# Altium PCB Controller_AC.PcbDoc
Units mil, origin at the board's own origin, x right, y up, seen from the top; angles counter-clockwise.
Board outline 2699.22 x 2841.41 mil, 2 copper layers (Top Layer, Bottom Layer); 67 components, 61 nets, 245 pads, 155 vias.
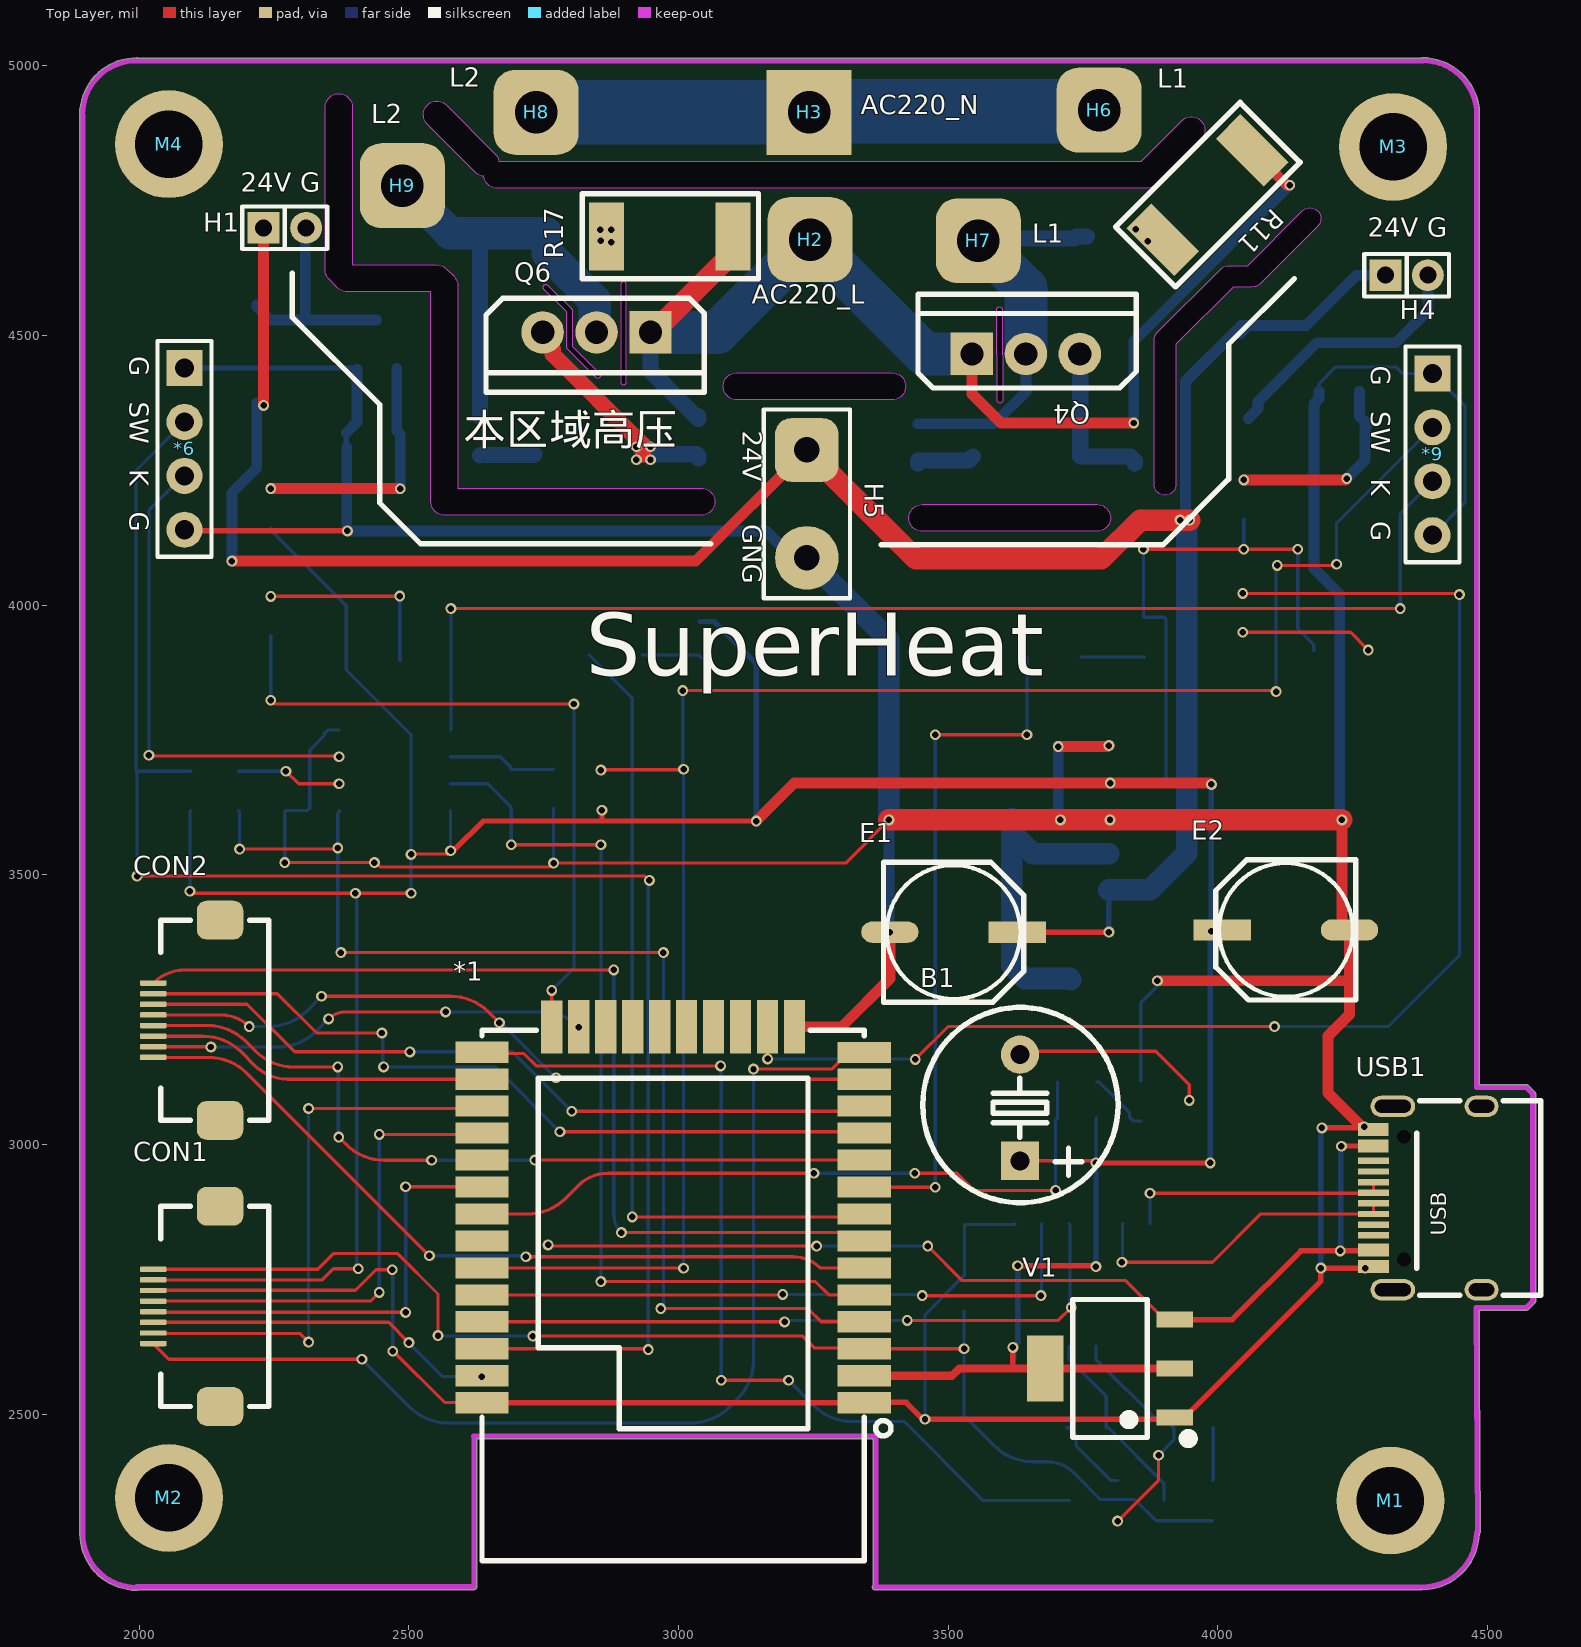
[diagram p0: Top Layer view]
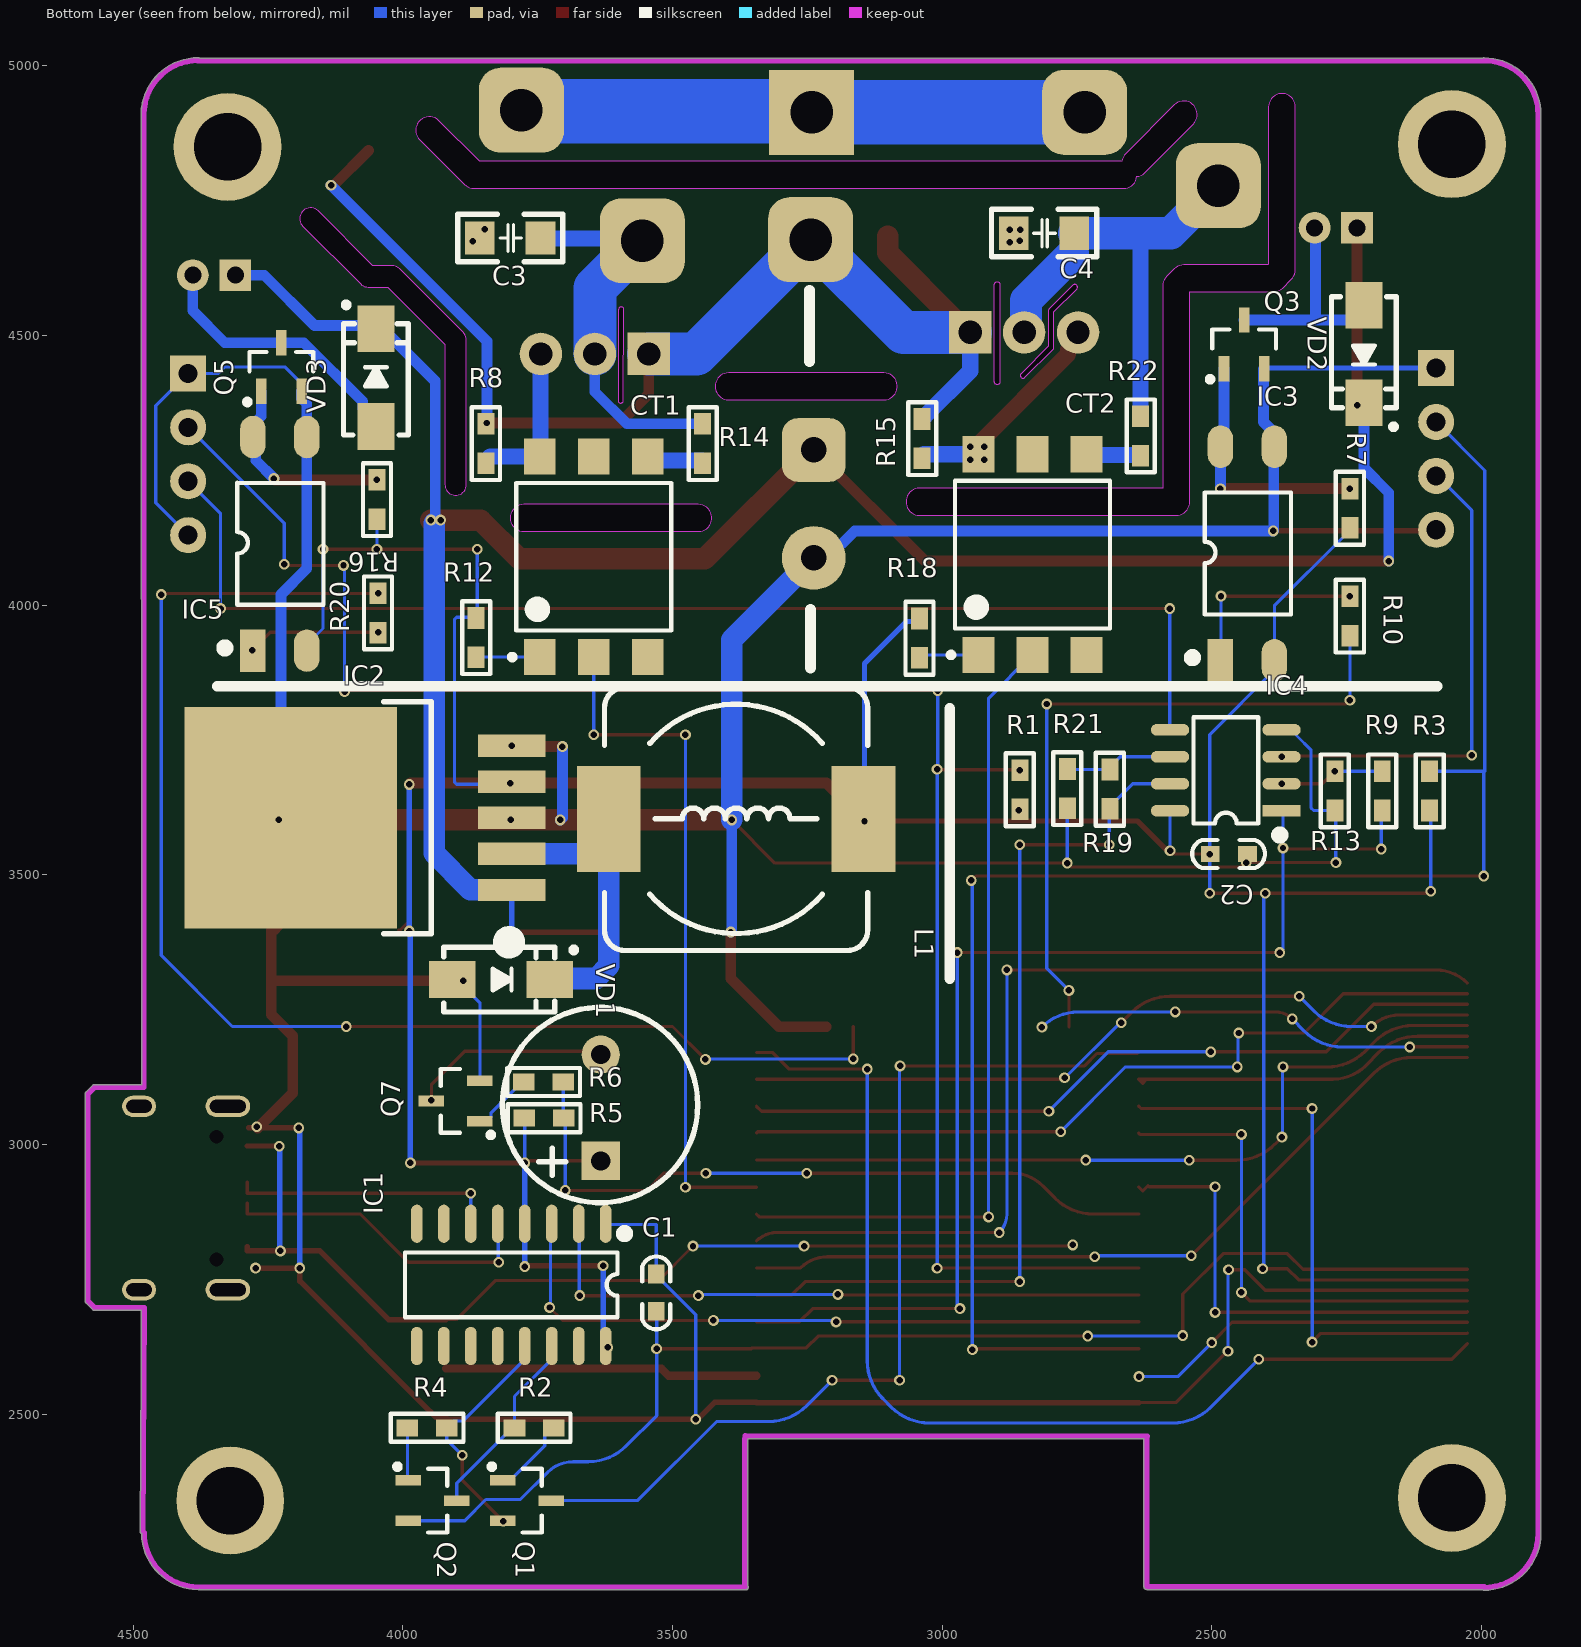
[diagram p1: Bottom Layer view, seen from below]

## Layer stack, top to bottom
Top Solder: solder mask 0.4, Solder Resist, Dk 3.5
Top Layer: signal copper 1.4
Dielectric 1: dielectric 12.6, FR-4, Dk 4.8
Bottom Layer: signal copper 1.4
Bottom Solder: solder mask 0.4, Solder Resist, Dk 3.5

## Board outline
1995.19,2173.79 ccw(c1995.19,2178.81) 1998.6,2175.13 2620.8,2175.13 ccw(c2620.8,2180.14) 2625.82,2180.14 2625.82,2454.3 3360.76,2454.3 ccw(c3365.77,2454.17) 3360.76,2454.17 3360.76,2182.64 ccw(c3364.52,2179.32) 3364.52,2174.31 4374.37,2174.31 ccw(c4374.37,2179.32) 4377.32,2175.27 ccw(c4379,2180) 4379,2174.99 ccw(c4379,2280.19) 4484.19,2278.42 ccw(c4481.93,2282.9) 4486.94,2282.9 ccw(c4481.93,2282.9) 4486.94,2282.93 4485.02,2583.02 4485.01,2583.03 4485.02,2583 4485.02,2692.99 4572,2692.99 ccw(c4572,2698) 4575.56,2694.47 4575.55,2694.45 4587.55,2706.45 4587.53,2706.44 ccw(c4584,2710) 4589.02,2710 4589.02,3094 ccw(c4584,3094) 4587.53,3097.56 4587.55,3097.55 4575.55,3109.55 4575.56,3109.53 ccw(c4572,3106) 4572,3111.01 4484.46,3111.01 4485.01,4909.82 ccw(c4480,4910) 4485.02,4910 ccw(c4379.81,4910) 4485.01,4910.77 4485.02,4920 ccw(c4480,4920) 4485.02,4920 ccw(c4480,4920) 4484.25,4922.66 ccw(c4379.81,4910) 4379.81,5015.21 ccw(c4379.81,5010.19) 4377.52,5014.66 1996.86,5014.66 ccw(c1995,5010) 1995,5015.02 ccw(c1995,4909.81) 1889.79,4909.81 ccw(c1894.81,4909.81) 1889.98,4908.43 1889.98,2280 ccw(c1895,2280) 1890.01,2279.5 ccw(c1895,2279) 1889.98,2279 ccw(c1995.19,2279)
cut-out: 2624.31,4802.31 2534.31,4892.31 cw(c2552,4910) 2569.69,4927.69 2659.69,4837.69 cw(c2642,4820) 2666.83,4823.02 3857.64,4823.02 3933.31,4898.69 cw(c3951,4881) 3976.01,4881 cw(c3951,4881) 3968.69,4863.31 3885.69,4780.31 cw(c3868,4798) 3868,4772.98 2664,4772.98 cw(c2664,4798) 2639.15,4795.15 cw(c2642,4820)
cut-out: 2892.99,4414 ccw(c2898,4414) 2903.01,4414 2903.01,4595 ccw(c2898,4595) 2892.99,4595
cut-out: 3590.99,4379.97 3590.1,4548.22 cw(c3595.11,4548.25) 3600.13,4548.27 3601.01,4380.03 cw(c3596,4380) 3601.01,4380 cw(c3596,4380)
cut-out: 2792.99,4478 2792.99,4543.92 2750.45,4586.45 cw(c2754,4590) 2757.55,4593.55 2801.55,4549.55 2801.53,4549.56 cw(c2798,4546) 2803.01,4546 2803.01,4480.08 2853.55,4429.55 cw(c2850,4426) 2855.01,4426 cw(c2850,4426) 2846.45,4422.45 2794.45,4474.45 2794.47,4474.44 cw(c2798,4478)
cut-out: 3881.99,4224 3881.99,4492 cw(c3902,4492) 3887.88,4506.19 3887.85,4506.15 4005.85,4624.15 4005.81,4624.12 cw(c4020,4610) 4020,4630.02 4055.71,4630.02 4156.85,4731.15 cw(c4171,4717) 4191.02,4717 cw(c4171,4717) 4185.15,4702.85 4078.15,4595.85 4078.19,4595.88 cw(c4064,4610) 4064,4589.98 4028.29,4589.98 3922.01,4483.71 3922.01,4224 cw(c3902,4224)
cut-out: 3108,4380.98 cw(c3108,4406) 3108,4431.02 3396,4431.02 cw(c3396,4406) 3421.01,4406 cw(c3396,4406) 3396,4380.98
cut-out: 2368.31,4588.31 2352.31,4604.31 cw(c2370,4622) 2344.99,4622 2344.99,4924 cw(c2370,4924) 2395.01,4924 2395.01,4632.36 2396.36,4631.02 2552,4631.02 cw(c2552,4606) 2569.69,4623.69 2583.69,4609.69 cw(c2566,4592) 2591.01,4592 2591.01,4217.02 3042,4217.02 cw(c3042,4192) 3067.01,4192 cw(c3042,4192) 3042,4166.98 2566,4166.98 cw(c2566,4192) 2540.99,4192 2540.99,4580.98 2386,4580.98 cw(c2386,4606)
cut-out: 3452,4136.98 cw(c3452,4162) 3452,4187.02 3776,4187.02 cw(c3776,4162) 3801.01,4162 cw(c3776,4162) 3776,4136.98

## Design rules (kind name [scope] priority, off if disabled: settings)
Clearance [All] p1: gap=0 ignorepadtopadclearanceinfootprint=TRUE
HoleSize [All] p1: absolutevalues=TRUE maxlimit=300 minlimit=1 maxpercent=80.000 minpercent=20.000
HoleToHoleClearance [All] p1: gap=2 allowstackedmicrovias=TRUE
MinimumSolderMaskSliver [All] p1: minsoldermaskwidth=0
PolygonConnect [All] p1: connectstyle=Relief reliefconductorwidth=10 reliefentries=4 polygonreliefangle="90 Angle" airgapwidth=10
RoutingVias [All] p1: holewidth=12 width=20 viastyle="Through Hole" minholewidth=12 minwidth=20 maxholewidth=200 maxwidth=300
SilkToSilkClearance [All] p1: silktosilkclearance=0
SilkToSolderMaskClearance [IsPad] p1: minsilkscreentomaskgap=0 clearancetoexposedcopper=TRUE
SolderMaskExpansion [All] p1: expansion=4 istentingtop=FALSE
Width [All] p1: maxlimit=150 minlimit=6 preferedwidth=6
25 further rules are at their usual default settings.

## Components (designator, comment, footprint, x,y, rotation, side; value= is the part's Value field where it differs from the comment)
*1 "ESP32-S" WIFIM-SMD_ESP32-C3S-2M 2990,2870 r180 top
*6 "Header4" HDR2.54-LI-4P 2084,4290 r270 top
*9 "Header4" HDR2.54-LI-4P 4398,4280 r270 top
B1 "DC3V" "BEEP 5x9x5.5" 3633,3068.43 r0 top
C1 "1uF" "C 0603" 3530,2725 r270 bottom
C2 "104" "C 0603" 2469,3539 r0 bottom
C3 "10nF/1KV" "C 1206_L" 3800,4681 r0 bottom
C4 "10nF/1KV" "C 1206_L" 2810,4690 r0 bottom
CON1 "FFC_0.5_8" FFC_0.5_8 2115,2700 r90 top
CON2 "FFC_0.5_8" FFC_0.5_8 2115,3230.63 r90 top
CT1 "CT3063" SMD-6-CT3063 3646,4089.98 r90 bottom
CT2 "CT3063" SMD-6-CT3063 2832.47,4094 r90 bottom
E1 "10uF/50V" "CT 6*6 - C" 3510,3394 r0 top
E2 "10uF/10V" "CT 6*6 - C" 4126,3398 r180 top
H1 "PAD2" PAD2-2.0 2270,4700 r0 top
H2 "PAD1" PAD1-C 3244,4678 r0 top
H3 "PAD1" PAD1-B 3242,4914 r0 top
H4 "PAD2" PAD2-2.0 4350,4612 r0 top
H5 "PAD2" PAD2-5.08 3238,4288 r270 top
H6 "PAD1" PAD1-C 3780,4918 r0 top
H7 "PAD1" PAD1-C 3556,4676 r0 top
H8 "PAD1" PAD1-C 2736,4914 r0 top
H9 "PAD1" PAD1-C 2488,4778 r0 top
IC1 "CH340C" SOP16_N 3798.96,2740 r270 bottom
IC2 "LM2596-3.3V" TO263-5A 3798,3606 r90 bottom
IC3 "817" SOP4-W2.54_L 2434,4096 r90 bottom
IC4 "LM358" SOP8_N 2474,3694 r0 bottom
IC5 "817" SOP4-W2.54_L 4228,4114 r90 bottom
L1 "33uH" CDRH127 3382,3604 r180 bottom
M1 "M3" "M3 125X200" 4320,2340 r0 top
M2 "M3" "M3 125X200" 2055,2345 r0 top
M3 "M3" "M3 125X200" 4325,4850 r0 top
M4 "M3" "M3 125X200" 2055,4855 r0 top
Q1 "SS8050" SOT23-3N 3770,2340 r270 bottom
Q2 "SS8050" SOT23-3N 3945,2340 r270 bottom
Q3 "SI2308" SOT23-3N 2440.13,4484 r180 bottom
Q4 "BTA12_600" TO220A 3644,4466 r0 top
Q5 "SI2308" SOT23-3N 4225.13,4442 r180 bottom
Q6 "BTA12_600" TO220A 2848,4506 r180 top
Q7 "SS8050" SOT23-3N 3902,3081 r90 bottom
R1 "10K" "R 0603" 2856,3658 r90 bottom
R2 "10K" "R 0603" 3756.5,2475 r180 bottom
R3 "10K" "R 0603" 2096,3656 r270 bottom
R4 "10K" "R 0603" 3955,2475 r0 bottom
R5 "4.7K" "R 0603" 3738,3049 r0 bottom
R6 "1K" "R 0603" 3739,3116 r0 bottom
R7 "1K" "R 0603" 2244,4180 r270 bottom
R8 "300R" "R 0603" 3846,4300 r90 bottom
R9 "100K" "R 0603" 2184,3656 r270 bottom
R10 "200R" "R 0603" 2244,3980 r270 bottom
R11 "39R/1W" "R 2512_L" 3980,4760 r45 top
R12 "200R" "R 0603" 3864,3940 r270 bottom
R13 "1K" "R 0603" 2272,3656 r90 bottom
R14 "330R" "R 0603" 3444,4300 r90 bottom
R15 "300R" "R 0603" 3037,4309 r90 bottom
R16 "1K" "R 0603" 4048,4196 r270 bottom
R17 "39R/1W" "R 2512_L" 2982.89,4684 r0 top
R18 "200R" "R 0603" 3042,3939 r270 bottom
R19 "100K" "R 0603" 2689,3659 r270 bottom
R20 "200R" "R 0603" 4046,3986 r90 bottom
R21 "1K" "R 0603" 2768,3660 r90 bottom
R22 "330R" "R 0603" 2632,4314 r90 bottom
USB1 "USB-C" "USB Type-C-16Pin_A" 4489,2901 r90 top
V1 "AMS1117-3V3" SOT223_L 3800,2585 r90 top
VD1 "SS34" SMA 3818,3306 r180 bottom
VD2 "FR107" SMA 2218,4466 r270 bottom
VD3 "FR107" SMA 4050,4422 r90 bottom

## Footprints (in the part's own frame and the unit in brackets; to place one, negate y for a bottom-side part, rotate by r counter-clockwise, add the part's x,y. Pads: shape width x height; smd on the part's side, far side on the other; paste and mask are expansions set on the pad)
"BEEP 5x9x5.5" [mm] "5*9*5.5mm(脚距,直径,高度)"
  rect 1.8x1.8 hole 0.9: 1(0,-2.5)
  round 1.8 hole 0.9: 2(0,2.5)
  silkscreen extent -4.58,-4.47 4.62,4.72, body extent -4.5,-4.5 4.5,4.5, height 5.45
"C 0603" [mil] "无极性贴片电容"
  rect 35x30 smd: 1(-35,0) 2(34,0)
  silkscreen extent -67,-26 67,26, body extent -31,-16 31,16, height 32
"C 1206_L" [mil] "无极性贴片电容"
  rect 55x62 smd: 1(-55.12,0) 2(57.09,0)
  silkscreen extent -96,-44 98,44, body extent -63,-32 63,32, height 48
CDRH127 [mm] "12*12*8mm（长宽高）"
  rect 3x5 smd: 1(-6,0) 2(6,0)
  silkscreen extent -6.2,-6.2 6.2,6.2, body extent -6,-6 6,6, height 7.8
"CT 6*6 - C" [mm] "直径6mm，高6mm"
  rect 2.7x1 smd: 1(3,0)
  oval 2.7x1 smd: 2(-3,0)
  silkscreen extent -3.3,-3.3 3.3,3.3, body extent -3.5,-3.15 3.5,3.15, height 6
FFC_0.5_8 [mil]
  rrect50% 72x86 smd: 0(-185.63,-35) 0(185.63,-35)
  rrect50% 10x50 smd: 1(-68.9,89) 2(-49.21,89) 3(-29.53,89) 4(-9.84,89) 5(9.84,89) 6(29.53,89) 7(49.21,89) 8(68.9,89)
  silkscreen extent -186,-125 186,75, body extent -187,-124 187,87, height 82
HDR2.54-LI-4P [mm] "排针，4脚"
  rect 1.7x1.7 hole 0.9: 1(-3.81,0)
  round 1.7 hole 0.9: 2(-1.27,0) 3(1.27,0) 4(3.81,0)
  silkscreen extent -5.08,-1.27 5.08,1.27, body extent -5.08,-1.27 5.08,1.27, height 8.5
"M3 125X200" [mil] "M3螺丝孔，孔125Mil，焊盘200Mil"
  round 200 hole 125: 1(0,0)
PAD1-B [mm] "引线焊盘"
  rect 4x4 hole 2: 1(0,0)
PAD1-C [mm] "引线焊盘"
  rrect50% 4x4 hole 2: 1(0,0)
PAD2-2.0 [mm] "引线焊盘"
  rect 1.5x1.5 hole 0.8: 1(-1,0)
  round 1.5 hole 0.8: 2(1,0)
  silkscreen extent -2,-1 2,1
PAD2-5.08 [mm] "引线焊盘"
  rrect50% 3x3 hole 1.2: 1(0,0)
  round 3 hole 1.2: 2(5.08,0)
  silkscreen extent -1.91,-2.03 6.98,2.03
"R 0603" [mil] "1/10W贴片电阻"
  rect 40x31.5 smd: 1(-36.5,0) 2(36.5,0)
  silkscreen extent -68,-26 68,26, body extent -31,-16 31,16, height 16
"R 2512_L" [mm] "1W贴片电阻"
  rect 1.65x3.2 smd: 1(-2.95,0) 2(3,0)
  silkscreen extent -4.1,-2 4.2,2, body extent -3.2,-1.6 3.2,1.6, height 0.55
SMA [mm] "4.5x2.6*2.2mm（长宽高，不包括引脚）"
  rect 2.2x1.75 smd: 1(-2.3,0) 2(2.3,0)
  silkscreen extent -2.7,-1.52 3.56,1.52, body extent -2.52,-1.3 2.57,1.3, height 2.15
SMD-6-CT3063 [mm] "SOP, 6-Leads, Body 7.12x6.50mm, Pitch 2.54mm, IPC Medium Density"
  rect 1.7x1.5 smd: 1(-4.725,2.54) 2(-4.725,0) 3(-4.725,-2.54) 4(4.725,-2.54) 5(4.725,0) 6(4.725,2.54)
  silkscreen extent -4.85,-3.65 3.47,3.97, body extent -4.72,-3.56 4.72,3.56, height 3.98
SOP4-W2.54_L [mm] "6.5*4.58*3.5mm（长宽高）"
  rect 2x1.2 smd: 1(-5.029,1.27)
  oval 2x1.2 smd: 2(-5.029,-1.27) 3(5.029,-1.27) 4(5.029,1.27)
  silkscreen extent -5.06,-2.05 2.87,2.75, body extent -5,-2.29 5,2.29, height 3.83
SOP8_N [mm] "5*6*1.8mm（长宽高）"
  rect 1.8x0.55 smd: 1(-2.625,1.905)
  oval 1.8x0.55 smd: 2(-2.625,0.635) 3(-2.625,-0.635) 4(-2.625,-1.905) 5(2.625,-1.905) 6(2.625,-0.635) 7(2.625,0.635) 8(2.625,1.905)
  silkscreen extent -2.69,-2.5 1.52,3.2, body extent -3,-2.5 3,2.5, height 1.9
SOP16_N [mm] "10.3*6.2*1.8mm（长宽高）"
  oval 1.8x0.55 smd: 1(-2.877,4.445) 2(-2.877,3.175) 3(-2.877,1.905) 4(-2.877,0.635) 5(-2.877,-0.635) 6(-2.877,-1.905) 7(-2.877,-3.175) 8(-2.877,-4.445) 9(2.877,-4.445) 10(2.877,-3.175) 11(2.877,-1.905) 12(2.877,-0.635) 13(2.877,0.635) 14(2.877,1.905) 15(2.877,3.175) 16(2.877,4.445)
  silkscreen extent -2.57,-5 1.52,5.49, body extent -3,-5 3,5, height 1.9
SOT23-3N [mm] "3x1.3x1mm(长宽高)"
  rect 0.5x1.2 smd: 1(-0.95,-1.143) 2(0.95,-1.143) 3(0,1.143)
  silkscreen extent -1.72,-1.78 1.5,0.7, body extent -1.5,-1.2 1.5,1.2, height 1.05
SOT223_L [mm] "6.4x7x1.6mm(长宽高)"
  rect 0.75x1.7 smd: 1(-2.3,-3.048) 2(0,-3.048) 3(2.3,-3.048)
  rect 3.1x1.7 smd: 2(0,3.048)
  silkscreen extent -3.5,-3.88 3.25,1.75, body extent -3.25,-3.51 3.25,3.51, height 1.65
TO220A [mm] "220，3脚晶体管"
  rect 2x2 hole 1.1: 1(-2.54,0)
  round 2 hole 1.1: 2(0,0) 3(2.54,0)
  silkscreen extent -5.08,-1.6 5.21,2.82, body extent -5.15,-1.53 5.15,2.9, height 18.5
TO263-5A [mm] "263，5脚晶体管"
  rect 1.05x3.2 smd: 1(-3.4,0) 2(-1.7,0) 3(0,0) 4(1.7,0) 5(3.4,0)
  rect 10.45x10 smd: 3(0,10.414)
  silkscreen extent -6.24,-0.25 5.46,6.04, body extent -5,-0.01 5,13.32, height 4.5
"USB Type-C-16Pin_A" [mm]
  round 0 hole 0.65: 0(-2.89,3.65) 0(2.89,3.65)
  oval 1x1.6 hole 0.6 slot 1.2 at 90 deg: 1(-4.32,0) 1(4.32,0)
  oval 1x2.1 hole 0.6 slot 1.7 at 90 deg: 1(-4.32,4.18) 1(4.32,4.18)
  rect 0.3x1.45 smd: A1(-3.375,5.092) A4(-2.6,5.092) A5(-1.25,5.092) A6(-0.25,5.092) A7(0.25,5.092) A8(-1.75,5.092) A9(2.6,5.1) A12(3.375,5.1) B1(3.075,5.1) B4(2.3,5.1) B5(1.75,5.092) B6(0.75,5.092) B7(-0.75,5.092) B8(1.25,5.092) B9(-2.3,5.092) B12(-3.075,5.092)
  silkscreen extent -4.57,-2.79 4.57,3.05, body extent -4.47,-2.6 4.47,5.3, height 3.25
WIFIM-SMD_ESP32-C3S-2M [mm]
  rect 2.5x1 smd: 1(-9,8.855) 2(-9,7.585) 3(-9,6.315) 4(-9,5.045) 5(-9,3.775) 6(-9,2.505) 7(-9,1.235) 8(-9,-0.035) 9(-9,-1.305) 10(-9,-2.575) 11(-9,-3.845) 12(-9,-5.115) 13(-9,-6.385) 14(-9,-7.645) 25(9,-7.655) 26(9,-6.385) 27(9,-5.115) 28(9,-3.845) 29(9,-2.575) 30(9,-1.305) 31(9,-0.035) 32(9,1.235) 33(9,2.505) 34(9,3.775) 35(9,5.045) 36(9,6.315) 37(9,7.585) 38(9,8.855)
  rect 1x2.5 smd: 15(-5.715,-8.855) 16(-4.445,-8.855) 17(-3.175,-8.855) 18(-1.905,-8.855) 19(-0.635,-8.855) 20(0.635,-8.855) 21(1.905,-8.855) 22(3.175,-8.855) 23(4.445,-8.855) 24(5.715,-8.839)
  silkscreen extent -10.26,-8.7 9,16.3, body extent -9.07,-9 9,16.54, height 3

## Part data
B1: library part BEEP, "蜂鸣器", BOM名称=蜂鸣器, 学习资源=www.ooocke.com, 版权归属=源创客
C1 C2 C3 C4: library part C, "无极性贴片电容", BOM名称=无极性贴片电容, 学习资源=www.ooocke.com, 版权归属=源创客
CON1 CON2: "FFC", System=Connector
CT1 CT2: "线性光耦（过零检测）", BOM名称=线性光耦, 学习资源=www.ooocke.com, 版权归属=源创客
E1 E2: library part C-CT, "贴片固态电容", BOM名称=贴片固态电容, 学习资源=www.ooocke.com, 版权归属=源创客
H1 H2 H3 H4 H5 H6 H7 H8 H9: "引线焊盘", BOM名称=引线焊盘
IC1: "串口转USB", BOM名称=串口转USB
IC2: library part LM2596, "DC降压芯片", BOM名称=DC稳压芯片, 学习资源=www.ooocke.com, 版权归属=源创客
IC3 IC5: "线性光耦", BOM名称=线性光耦, 学习资源=www.ooocke.com, 版权归属=源创客
IC4: "双路运放"
L1: library part L-CDRH, "功率屏蔽电感", BOM名称=功率屏蔽电感, 学习资源=www.ooocke.com, 版权归属=源创客
M1 M2 M3 M4: "铜柱孔", BOM名称=铜柱孔
Q1 Q2 Q7: library part 8050-SMD, "高频放大-NPN型", BOM名称=高频放大-NPN型, 学习资源=www.ooocke.com, 属性="40V 1.5A 1W 100MHZ", 版权归属=源创客
Q3 Q5: library part SI2302, "N沟道场效应管", BOM名称=N沟道场效应管, 学习资源=www.ooocke.com, 版权归属=源创客
Q4 Q6: "双向可控硅", BOM名称=双向可控硅, 学习资源=www.ooocke.com, 版权归属=源创客
R1 R2 R3 R4 R5 R6 R7 R8 R9 R10 R11 R12 R13 R14 R15 R16 R17 R18 R19 R20 R21 R22: library part R, "贴片电阻", BOM名称=贴片电阻, 学习资源=www.ooocke.com, 版权归属=源创客
USB1: library part USB-C/S, "USB-C型母接口", BOM名称=USB-C型母接口
V1: library part AMS1117, "三端稳压芯片", BOM名称=稳压芯片, 学习资源=www.ooocke.com, 版权归属=源创客
VD1: "肖特基二极管", BOM名称=肖特基二极管, 学习资源=www.ooocke.com, 属性=40V/3A, 版权归属=源创客
VD2 VD3: library part SS34, "肖特基二极管", BOM名称=肖特基二极管, 学习资源=www.ooocke.com, 属性=40V/3A, 版权归属=源创客

## Via types
v1: diameter 20, hole 12, Top Layer to Bottom Layer, 155 vias

## Nets (pads, with @x,y where several pads share a name; then routed paths per layer and width w, separated by ;. In a path a pad name is that pad's centre, name@x,y a point inside that pad or via, vN(x,y) a via of type N, cw(c..) or ccw(c..) an arc to the next point about the centre after c; other vN are vias at no path point)
3V3: *1.2 B1.1 C2.2 CON1.7 E2.1 IC1.4 IC1.16 IC2.4 IC3.2 IC4.8 IC5.2 L1.2 R1.1 R3.2 R5.2 R7.2 R12.1 R16.2 R18.1 V1.2 | length 7925
  Top Layer w6: CON1.7 2339.21,2749.21 2360,2770 v1(2406,2770) ; v1(2094,3470) 2098,3466 v1(2401,3466) v1(2504,3466) ; v1(2504,3538) 2504.67,3538.67 2573.83,3538.67 2577.35,3542.19 v1(2577.35,3545) ; B1.1 3770,2970 v1(3773.98,2965.98) ; v1(3862,4104) v1(4048,4104) v1(4148,4104) ; E2.1@3988,3414.69 4004.69,3398 E2.1
  Top Layer w10: v1(2577.35,3545) 2583,3545 2638,3600 2858,3600 ; v1(2858,3620) 2858,3600 ; v1(3144,3600) 2858,3600 ; 3620,2585 v1(3620,2624) ; v1(3628.68,2775.32) 3772.68,2775.32 v1(3774,2774) ; v1(3773.98,2965.98) v1(3986,2966)
  Top Layer w15: *1.2 3507.14,2571.39 3520.75,2585 3620,2585 3680,2585 V1.2@3920,2585
  Top Layer w20: v1(3144,3600) 3214.46,3670.46 v1(3800.46,3670.46) 3985.54,3670.46 v1(3988,3668)
  Bottom Layer w6: v1(2094,3470) 2094,3617.5 R3.2 ; R7.2 2244,4139.25 2256.75,4126.5 2384,3999.25 IC3.2 2384,3880 2504,3760 v1(2504,3538) v1(2504,3466) ; v1(2401,3466) 2403.5,3463.5 2403.5,2772.5 v1(2406,2770) ; v1(2577.35,3545) IC4.8 ; v1(3620,2624) IC1.16@3628.68,2632.68 ; IC1.16@3623.96,2602.13 IC1.16@3623.96,2624 ; IC1.4 IC1.4@3774,2853.22 ; v1(3773.98,2965.98) 3774,3048.5 R5.2 ; IC2.4 v1(3800.46,3670.46) 3802.93,3668 3900.49,3668 3904,3671.51 3904,3974.49 3900.49,3978 3865.5,3978 R12.1 3862,3978.5 v1(3862,4104) ; v1@3986,3394 v1(3988,3396) ; v1(4048,4104) R16.2 ; v1(4148,4104) 4148,3957 4178,3927 IC5.2
  Bottom Layer w10: R18.1@3040,3970 3066,3970 3144,3892 v1(3144,3600) ; IC1.16@3628.68,2632.68 v1(3628.68,2775.32) ; v1(3774,2774) IC1.4@3774,2853.22 ; IC1.4 v1(3773.98,2965.98) ; v1(3986,2966) v1@3986,3394 ; v1(3988,3396) v1(3988,3668)
24V: E1.1 H1.1 H4.1 H5.1 IC2.1 VD2.2 VD3.2 | length 4526.3
  Top Layer w10: E1.1 v1(3798,3394)
  Top Layer w20: v1(2172,4082) 3032,4082 H5.1 ; v1(2230.64,4370.64) H1.1
  Top Layer w40: H5.1 3440,4086 3784,4086 3856,4158 v1(3930,4158) v1(3948,4158)
  Bottom Layer w10: v1(3798,3394) IC2.1
  Bottom Layer w20: v1(2172,4082) 2172,4208.53 2218,4254.53 VD2.2 2222.81,4370.64 v1(2230.64,4370.64) ; 3940,4415.69 4033.89,4509.58 4041.14,4503.69 VD3.2 ; v1@3942,4152 v1(3948,4158) 3940,4166 3940,4414.69 VD3.2@4034.39,4509.08 ; VD3.2@4043,4518.87 4163.87,4518.87 4257,4612 H4.1
  Bottom Layer w40: IC2.1 3798.67,3472.81 3874.81,3472.81 3942,3540 v1@3942,4152
+5: USB1.A4 USB1.A9 USB1.B4 USB1.B9 V1.3 | length 1902.2
  Top Layer w6: v1(2758,2814) 2760,2812 v1(3256,2812) ; v1(3462,2812) 3526,2748 3828.85,2748 3901.3,2675.55 V1.3
  Top Layer w10: V1.3 4026.55,2675.55 4154,2803 v1(4227,2803) 4227.34,2803.34 4288.53,2803.34 USB1.B9 ; v1(4229,2997) 4229.46,2997.46 USB1.A9@4288.22,2997.46
  Bottom Layer w6: v1(3256,2812) v1(3462,2812)
  Bottom Layer w10: v1(4227,2803) 4228,2804 4228,2996 v1(4229,2997)
AC220L: H2.1 Q4.1 Q6.1 R8.2 R11.2 R15.2 R17.2 | length 2252.9
  Top Layer w20: Q4.1 3544,4392 3598,4338 v1(3844,4338) ; R11.2 4128.16,4778.88 v1(4133.12,4778.88)
  Top Layer w40: Q6.1 2967.37,4525.37 2972.88,4525.37 3101,4653.49 R17.2
  Bottom Layer w20: v1(3844,4338) 3844,4489.75 v1(4133.12,4778.88)
  Bottom Layer w30: Q6.1 2948,4434.5 3032,4350.5 3036.25,4350.5 3037,4349.75 R15.2
  Bottom Layer w80: Q6.1 3072,4506 H2.1 3456,4466 Q4.1
AC220N: H3.1 H6.1 H8.1 | length 1045.7
  Top Layer w120: H8.1 H8.1@2738,4916 ; H6.1@3778,4916 H6.1
  Bottom Layer w120: H8.1 H3.1 ; H3.1@3244,4916 H6.1@3778,4916
ADC0: *1.4 IC4.1 R9.2 | length 2170.5
  Top Layer w6: v1(2186,3548) 2366,3548 v1(2368,3550) ; v1(2374,3356) v1(2972,3356) ; v1(2967,2696) 3240,2696 3264.61,2671.39 *1.4
  Bottom Layer w6: R9.2 2186,3617.5 v1(2186,3548) ; IC4.1 2372,3617.65 2368,3613.65 v1(2368,3550) 2368,3362 v1(2374,3356) ; v1(2967,2696) 2972,2701 v1(2972,3356)
ADC1: *1.5 IC4.7 R19.2 | length 1674.8
  Top Layer w6: v1(2690,3556) v1(2856,3556) ; v1(2856,2746) 3254,2746 3278.61,2721.39 *1.5
  Bottom Layer w6: IC4.7 2646.75,3669 2689,3626.75 R19.2 2690,3621.5 v1(2690,3556) ; v1(2856,2746) v1(2856,3556)
ADC2: *1.6 CON2.1 | length 1472.7
  Top Layer w6: CON2.1 2128.85,3161.73 cw(c2128.85,3061.73) 2176.18,3149.82 cw(c2128.85,3061.73) 2199.56,3132.44 v1(2538,2794) ; v1(2717,2792) 3212.86,2792 cw(c3212.86,2721.64) 3262.59,2771.41 *1.6
  Bottom Layer w6: v1(2538,2794) 2715,2794 v1(2717,2792)
ADC3: *1.7 CON2.8 | length 1805.8
  Top Layer w6: CON2.8@2026.03,3299.56 cw(c2085.08,3240.44) 2085.08,3324 v1(2880,3324) ; v1(2894,2837) 3306.65,2837 cw(c3306.65,2783.71) *1.7
  Bottom Layer w6: v1(2880,3324) 2880,2870.8 ccw(c2927.8,2870.8) v1(2894,2837)
BEEP: *1.31 R5.1 R6.1 | length 1303.1
  Top Layer w6: *1.31 2719.97,2871.39 ccw(c2719.97,2971.39) 2790.68,2900.68 2813.84,2923.84 cw(c2869.75,2867.93) 2869.75,2947 v1(3251,2947) ; v1(3438,2947) 3516,2947 3548,2915 v1(3699,2915)
  Bottom Layer w6: v1(3251,2947) v1(3438,2947) ; v1(3699,2915) 3699,3045.5 3702,3048.5 R5.1 3702.5,3050 R6.1
BL_PWM: *1.14 CON1.1 | length 1991.8
  Top Layer w6: CON1.1 2055.1,2602 v1(2413,2602) ; v1(3139,3140) 3283.8,3140 3314.8,3171 *1.14
  Bottom Layer w6: v1(2413,2602) 2501.71,2513.29 ccw(c2572.42,2584) 2572.42,2484 3023.58,2484 ccw(c3023.58,2584) 3094.29,2513.29 3109.71,2528.71 ccw(c3039,2599.42) 3139,2599.42 v1(3139,3140)
DAC: *1.10 CON2.4 | length 1482.6
  Top Layer w6: CON2.4 2126.79,3220.79 cw(c2126.79,3120.79) 2197.5,3191.5 2215.71,3173.29 ccw(c2286.42,3244) 2286.42,3144 v1(2368,3144) ; v1(2370,3014) 2383.71,3000.29 ccw(c2454.42,3071) 2454.42,2971 v1(2542,2971) ; v1(2733.61,2971.39) *1.10
  Bottom Layer w6: v1@2369,3143 2369,3015 v1(2370,3014) ; v1(2542,2971) 2733.22,2971 v1(2733.61,2971.39)
DC: *1.28 CON1.5 | length 910.4
  Top Layer w6: CON1.5 2428.84,2709.84 v1(2445,2726) ; v1(2445,3019) 2633.28,3019 *1.28
  Bottom Layer w6: v1(2445,2726) v1(2445,3019)
DTR: IC1.13 Q1.2 R4.1 | length 438.1
  Top Layer w6: v1(3814,2302) 3890,2378 v1(3890,2424)
  Bottom Layer w6: IC1.13 3773.96,2602.13 3888.33,2487.75 3905.75,2487.75 R4.1 3918.5,2452.5 v1(3890,2424)
EC11_A: *1.11 CON2.7 | length 1460.5
  Top Layer w6: CON2.7 2256.16,3279.84 2329,3207 v1(2450,3207) ; v1(2780,3024) 3341.72,3024 *1.11
  Bottom Layer w6: v1(2450,3207) 2451.5,3205.5 2451.5,3145.5 v1(2453,3144) 2660,3144 v1(2780,3024)
EC11_B: *1.12 CON2.6 | length 1404.3
  Top Layer w6: CON2.6 2199.84,3260.16 2288,3172 v1(2502,3172) ; v1(2802,3062) 3334.94,3062 *1.12
  Bottom Layer w6: v1(2502,3172) 2692,3172 v1(2802,3062)
EC11_SW: *1.13 CON2.5 | length 1402
  Top Layer w6: CON2.5 2152.16,3240.47 cw(c2152.16,3167.16) v1(2204,3219) ; v1(2338,3275) 2577.58,3275 cw(c2577.58,3175) 2648.29,3245.71 v1(2668,3226) ; v1(2773,3124) 2775.61,3121.39 *1.13
  Bottom Layer w6: v1(2204,3219) 2240.58,3219 ccw(c2240.58,3319) 2311.29,3248.29 v1(2338,3275) ; v1(2668,3226) 2670,3226 v1@2772.5,3123.5
EN: *1.3 C1.2 CON1.8 Q2.2 | length 2361.5
  Top Layer w6: CON1.8 2330.9,2768.9 2360,2798 2479,2798 2554,2723 v1(2554,2646) ; v1(2730,2645) 3230,2645 3252,2623 3352.39,2623 3354,2621.39 v1(3529.39,2621.39)
  Bottom Layer w6: v1(2554,2646) 2555,2645 v1(2730,2645) ; C1.2 3529.39,2690.39 v1(3529.39,2621.39) 3529.39,2497.61 3585.71,2441.29 ccw(c3656.42,2512) 3625.2,2417 ccw(c3656.42,2512) 3656.42,2412 3684.21,2412 cw(c3684.21,2344.91) 3731.65,2392.35 3782,2342 3846,2342 3885.4,2302.6 Q2.2
FAN_1: *1.24 R10.2 | length 1300.4
  Top Layer w6: v1(2244,3824) 2251,3817 v1(2806,3817) ; *1.24 v1(2765,3286)
  Bottom Layer w6: v1(2244,3824) R10.2 ; v1(2765,3286) 2806,3327 v1(2806,3817)
FAN_2: *1.16 R20.2 | length 2494.8
  Top Layer w6: v1(3165,3159) *1.16 ; v1(3439,3158) 3500,3219 v1(4105,3219) ; v1(4046,4022) 4446,4022 v1(4448,4020)
  Bottom Layer w6: v1(3165,3159) 3438,3159 v1(3439,3158) ; v1(4105,3219) 4316,3219 4448,3351 v1(4448,4020)
GND: *1.1 *1.15 *1.38 *6.1 *6.4 *9.1 *9.4 C1.1 C2.1 CON1.6 E1.2 E2.2 H5.2 IC1.1 IC2.3 IC2.5 IC3.3 IC4.4 IC5.3 Q3.2 Q5.2 Q7.2 R13.1 R21.1 USB1.A1 USB1.A12 USB1.B1 USB1.B12 V1.1 VD1.1 | length 11557.1
  Top Layer w6: CON1.6 2026.47,2730 2401,2730 2439,2768 v1(2469,2768) ; v1(2270,3523) v1(2436,3523) 2439.25,3523 2447.25,3515 2761.24,3515 v1(2768.24,3522) 3310,3522 v1(3390,3602) ; v1(2470,2617) 2471,2617 2566,2522 2635.06,2522 *1.38
  Top Layer w10: *6.4 2086,4138 v1(2386,4138) ; *1.38 *1.1 3344.94,2522 3422,2522 3453.26,2490.74 v1(3456.97,2490.74) 3916.29,2490.74 V1.1 3938.7,2494.45 3948.46,2504.21 3948.46,2504.46 4191,2747 v1(4191,2771) v1(4273,2771) ; v1(4193,3031) 4269,3031 USB1.A12@4285.35,3031
  Top Layer w20: *1.15 3302.61,3218.61 3392,3308 3392,3393.89 v1(3391.89,3394) ; v1(3704,3738) 3796,3738 v1(3798,3740) ; v1(3888,3304) 4242.11,3304 4244.11,3302 ; v1(4230,3602) 4230,3406.95 4238.95,3398 E2.2 4244.11,3302 ; USB1.A12@4269,3031 4204.09,3095.91 4204.09,3201.34 4244.11,3241.35 4244.11,3302
  Top Layer w40: v1(3390,3602) v1(3708,3602) v1(3800,3602) v1(4230,3602)
  Bottom Layer w6: v1(2270,3523) 2270,3617.5 R13.1 2311.5,3619.5 2316,3624 2316,3731.59 2343.05,3758.64 2343.05,3761.77 2350.28,3769 IC4.4 ; v1(2469,2768) 2470,2767 v1(2470,2617) ; R21.1 2768.24,3623.26 v1(2768.24,3522) ; v1(3456.97,2490.74) 3456.97,2684.47 3530,2757.5 C1.1 3530,2852 3622.69,2852 IC1.1 ; Q7.2 3857,3263.31 3899.69,3306 VD1.1 ; Q5.2 4187.72,4410.78 4218.94,4442 4330,4442 4342,4430 *9.1 4458,4370 4458,4190 *9.4
  Bottom Layer w10: *6.1 2401.72,4440 Q3.2 Q3.2@2404,4437.72 ; IC3.3@2384,4319.83 IC3.3 IC3.3@2385,4293 ; v1@2385,4139 v1(2386,4138) ; v1(4191,2771) v1@4191,3031
  Bottom Layer w20: IC3.3@2384,4319.83 2404,4339.83 Q3.2@2404,4437.72 ; v1@2385,4139 IC3.3@2385,4293 ; v1(2386,4138) 3162.06,4138 3212.06,4088 H5.2 ; v1(3390,3602) 3390,3395.89 v1(3391.89,3394) ; v1(3704,3738) 3704,3606 v1(3708,3602) ; IC5.3@4178,4310 4178,4068 4226,4020 IC2.3@4226,3602 ; IC5.3 4178,4373.81 4187.72,4383.54 Q5.2
  Bottom Layer w40: H5.2 3390,3936 v1(3390,3602)
  other v1: 4271,3033
GPIO0: *1.25 Q1.3 | length 1770.3
  Top Layer w6: *1.25 2638.06,3169 2713,3169 2736,3146 v1(3078,3146) ; v1(3079,2563) v1(3204,2563)
  Bottom Layer w6: v1(3078,3146) 3079,3145 v1(3079,2563) ; v1(3204,2563) 3251.05,2515.95 ccw(c3321.76,2586.66) 3321.76,2486.66 3418.34,2486.66 3565,2340 Q1.3
K1_IN: *6.3 IC4.3 | length 900.4
  Top Layer w6: v1(2018,3722) 2019.5,3720.5 2369.15,3720.5 v1(2370.65,3719)
  Bottom Layer w6: v1(2018,3722) 2018,4176 *6.3@2082,4240
  Bottom Layer w10: *6.3@2082,4240 *6.3
K2_IN: *9.3 IC4.5 | length 2254.1
  Top Layer w6: v1(2578,3994) v1(4338,3994) ; *9.3@4398,4222 *9.3
  Bottom Layer w6: IC4.5 2578,3769.65 v1(2578,3994) ; v1(4338,3994) 4338,4170 *9.3
MOSI: *1.37 CON1.3 | length 650.6
  Top Layer w6: CON1.3 2462.53,2670.47 v1(2500,2633)
  Bottom Layer w6: v1(2500,2633) 2563,2570 v1(2635,2570)
NetB1_2: B1.2 Q7.3 | length 371.2
  Top Layer w6: B1.2 3639.15,3173 3885,3173 3947,3111 v1(3947,3082)
NetC3_1: C3.1 H7.1 Q4.2 R14.2 | length 745.3
  Bottom Layer w20: R14.2 3584.5,4336.5 3644,4396 Q4.2
  Bottom Layer w30: H7.1 3560,4680 3734,4680 3738,4684 C3.1@3756.88,4684
  Bottom Layer w80: H7.1 3594.74,4637.26 3644,4588 Q4.2
NetC3_2: C3.2 R11.1
  other v1: 3870,4675 3848,4697
NetC4_1: C4.1 H9.1 Q6.2 R22.2 | length 836.1
  Top Layer w60: H9.1@2488,4776 H9.1 ; Q6.2@2844.41,4509.59 Q6.2
  Bottom Layer w30: R22.2 2632,4690 2632,4692
  Bottom Layer w60: H9.1 2576,4690 2632,4690 C4.1 ; 2757.38,4652.62 2844.52,4565.48 2844.52,4509.48 Q6.2
NetC4_2: C4.2 R17.1
  other v1: 2875,4673 2856,4676 2855,4696 2875,4696
NetCT1_1: CT1.1 R12.2 | length 118.2
  Bottom Layer w6: CT1.1 3863.55,3903.95 R12.2
NetCT1_4: CT1.4 R14.1 | length 109.7
  Bottom Layer w30: R14.1 3444,4267.75 3444.75,4268.5 3538.5,4268.5 CT1.4
NetCT1_6: CT1.6 Q4.3 R8.1 | length 298.5
  Bottom Layer w30: Q4.3 3745,4465 3745,4277 CT1.6 3837.75,4276 3846,4267.75 R8.1
NetCT2_1: CT2.1 R18.2 | length 111.8
  Bottom Layer w6: CT2.1 3036.52,3907.98 R18.2
NetCT2_4: CT2.4 R22.1 | length 101.8
  Bottom Layer w30: R22.1 2632,4278.01 2632.75,4278.76 2731.21,4278.76 CT2.4
NetCT2_6: CT2.6 Q6.3 R15.1 | length 413.2
  Top Layer w30: Q6.3 2748,4492.81 2766.66,4474.15 2766.66,4465.34 2934,4298 2934,4280
  Bottom Layer w30: CT2.6 3033.73,4280.02 3037,4276.75 R15.1
  other v1: 2922,4270 2948,4270 2922,4294 2948,4294
NetH1_2: H1.2 Q3.3 VD2.1 | length 406.9
  Bottom Layer w20: VD2.1 2218,4553.45 2242.45,4529 2308,4529 ; H1.2 2308,4698.62 2308,4529 ; Q3.3 2308,4529
NetH4_2: H4.2 Q5.3 VD3.1 | length 489.4
  Bottom Layer w20: VD3.1@4056.14,4346.45 4074.45,4364.76 4074.45,4377.9 4183.55,4487 Q5.3 4330,4487 4389.38,4546.38 H4.2
NetIC2_2: IC2.2 L1.1 VD1.2 | length 588.3
  Bottom Layer w40: L1.1 L1.1@3618.22,3578.12 ; VD1.2 3725.45,3308 3641.65,3308 3618.22,3331.43 L1.1@3618.22,3578.12 ; IC2.2 3657.28,3539.07 L1.1@3618.22,3578.12
NetIC3_1: IC3.1 R10.1 | length 358.6
  Top Layer w6: v1(2244,4016.5) 2244.5,4017 v1(2483,4017)
  Bottom Layer w6: v1(2483,4017) 2483,3899 IC3.1
NetIC3_4: IC3.4 Q3.1 R7.1 | length 465.9
  Top Layer w20: v1(2244,4216.5) 2483.5,4216.5 v1(2484,4216)
  Bottom Layer w20: Q3.1 2477.53,4323.59 2484,4317.12 IC3.4 v1(2484,4216)
NetIC4_2: IC4.2 R9.1 R13.2 | length 196.4
  Top Layer w6: v1(2272,3692.5) 2295.5,3669 v1(2370.65,3669)
  Bottom Layer w6: R9.1 v1(2272,3692.5)
NetIC4_6: IC4.6 R19.1 R21.2 | length 203.3
  Bottom Layer w6: IC4.6 2669.75,3719 2689,3699.75 R19.1 2767,3695.5 R21.2
NetIC5_1: IC5.1 R20.1 | length 246.7
  Top Layer w6: v1(4046,3950) 4246,3950 v1(4279,3917)
NetIC5_4: IC5.4 Q5.1 R16.1 | length 376.6
  Top Layer w20: v1(4048,4232.5) 4236.5,4232.5 v1(4239,4235)
  Bottom Layer w20: v1(4239,4235) 4272.79,4268.79 4272.79,4329.91 4278,4335.12 4262.53,4350.59 Q5.1
NetQ1_1: Q1.1 R2.2 | length 147.5
  Bottom Layer w6: R2.2 3724.25,2475 3737,2462.25 3737,2441.62 3801.22,2377.4 Q1.1
NetQ2_1: Q2.1 R4.2 | length 98.2
  Bottom Layer w6: Q2.1 3991.5,2378.9 R4.2
NetQ7_1: Q7.1 R6.2 | length 116.7
  Bottom Layer w6: R6.2 3779.75,3116 3836.38,3059.37 3836.38,3050.44 3843.22,3043.6 Q7.1
PWM_1: *1.9 CT1.2 | length 1284.8
  Top Layer w6: *1.9 3344.72,2921 v1(3476,2921) ; v1(3476,3760) v1(3646,3760)
  Bottom Layer w6: v1(3476,2921) v1(3476,3760) ; v1(3646,3760) CT1.2
PWM_2: *1.8 CT2.2 | length 1507.7
  Top Layer w6: v1(2914,2866) 3338.94,2866 *1.8
  Bottom Layer w6: CT2.2@2834,3908 2914,3828 v1(2914,2866)
PWM_3: *1.23 CON2.2 | length 817.3
  Top Layer w6: CON2.2 2131.99,3181.42 cw(c2131.99,3179.99) v1(2133,3181) ; v1(2351,3233) cw(c2382.38,3201.62) 2382.38,3246 v1(2568,3246)
  Bottom Layer w6: v1(2133,3181) 2257.58,3181 ccw(c2257.58,3281) 2328.29,3210.29 v1(2351,3233) ; v1(2568,3246) 2747.4,3246 cw(c2747.4,3150.4) v1(2815,3218)
RES: *1.27 CON1.2 | length 1051.4
  Top Layer w6: CON1.2 2026.79,2650 2298,2650 v1(2314,2634) ; v1(2314,3067) 2631.28,3067 *1.27
  Bottom Layer w6: v1(2314,2634) v1(2314,3067)
RST: IC1.14 Q2.3 R2.1 | length 362.1
  Bottom Layer w6: IC1.14 3723.96,2602.13 3793,2533.08 R2.1 3797.25,2475 3900,2372.25 Q2.3
RX: *1.34 IC1.2 | length 1171.7
  Top Layer w6: *1.34 3192.49,2721.39 v1(3193.36,2722.27) ; v1(3452,2720) v1(3672,2720)
  Bottom Layer w6: v1(3193.36,2722.27) 3449.73,2722.27 v1(3452,2720) ; v1(3672,2720) 3672.98,2720.98 3672.98,2852.29 IC1.2
SCK: *1.30 CON1.4 | length 851.2
  Top Layer w6: CON1.4 2027.16,2689 v1(2494,2689) ; v1(2494,2922) 2616.28,2922 2618.28,2924 2628.28,2914 *1.30
  Bottom Layer w6: v1(2494,2689) v1(2494,2922)
SW_1: *1.36 *6.2 R3.1 | length 3114.2
  Top Layer w6: v1(1996,3498) 2937.49,3498 2945.49,3490 v1(2946,3490) ; *1.36 v1@2943.39,2621.39
  Bottom Layer w6: v1(1996,3498) 1996,3690 1994,3692 ; *6.2 1994,4250 1994,3692 ; R3.1 1994.5,3692.5 1994,3692 ; v1(2944,2620) 2944,3488 v1(2946,3490)
SW_2: *1.33 *9.2 R1.2 | length 3373.9
  Top Layer w6: *1.33 3008.61,2771.39 v1(3009.3,2770.7) ; v1(2856,3694.5) 2856.75,3695.25 3008.55,3695.25 v1(3009.3,3696) ; v1(3008,3842) 4106,3842 v1(4108,3840) ; v1(4110,4074) 4218,4074 v1(4220,4076)
  Bottom Layer w6: v1(3008,3842) 3008,3697.3 v1(3009.3,3696) v1(3009.3,2770.7) ; v1(4108,3840) 4108,4072 v1(4110,4074) ; v1(4220,4076) 4220,4152 *9.2
TOUCH: *1.26 CON2.3 | length 655
  Top Layer w6: CON2.3 2118.48,3201.1 cw(c2118.48,3101.1) 2189.19,3171.81 2214.4,3146.6 ccw(c2275.26,3207.47) 2214.44,3146.56 ccw(c2275.26,3207.47) 2275.26,3121.39 *1.26 2628.28,3114 *1.26@2621.28,3121
TX: *1.35 IC1.3 | length 1260.3
  Top Layer w6: *1.35 v1(3196.61,2671.39) ; v1(3424,2674) 3704,2674 v1(3728,2698)
  Bottom Layer w6: v1(3196.61,2671.39) 3199.22,2674 v1(3424,2674) ; IC1.3 3725.98,2851.25 3725.98,2700.02 v1(3728,2698)
USB_DM: IC1.6 USB1.A7 USB1.B6 | length 490.9
  Top Layer w6: v1@3874,2910 v1(3874.16,2909.84) USB1.A7@4288.53,2909.84 ; USB1.A7 USB1.B6
  Bottom Layer w6: IC1.6 3874.06,2853.37 3874.06,2909.73 v1(3874.16,2909.84)
USB_DP: IC1.5 USB1.A6 USB1.B7 | length 595.4
  Top Layer w6: v1(3822,2782) 3990,2782 4079.47,2871.47 USB1.B7 USB1.A6
  Bottom Layer w6: v1(3822,2782) 3822.98,2782.98 3822.98,2852.29 IC1.5
pads on no net: *1.17 *1.18 *1.19 *1.20 *1.21 *1.22 *1.29 *1.32 CON1.0 CON2.0 CT1.3 CT1.5 CT2.3 CT2.5 IC1.7 IC1.8 IC1.9 IC1.10 IC1.11 IC1.12 IC1.15 M1.1 M2.1 M3.1 M4.1 USB1.0 USB1.1 USB1.A5 USB1.A8 USB1.B5 USB1.B8

## Keep-outs
Keep-Out Layer:
  lines w10: 1894.81,4909.81 cw(c1995,4909.81) 1995,5010 4380,5010 ; 1895,2279 ccw(c1995.19,2279) 1995.19,2178.81 ; 1895,2280 1895,4909.81 ; 1995.19,2180 2620,2180 ; 2620.04,2459.2 3365,2460 ; 2620.8,2180 2620.8,2459.2 ; 3365,2179.2 4374.84,2179.2 ; 3365.8,2180 3365.8,2454.84 ; 4379.35,2179.87 ccw(c4379.35,2280.07) 4479.54,2280.07 ; 4379.81,5010.19 cw(c4379.81,4910) 4480,4910 ; 4479,2698 4572,2698 4584,2710 4584,3094 4572,3106 4480,3106 4480,4920 ; 4479.2,2698 4482,2283

## Silkscreen, mask and mechanical layers (free items; w line width, h text height)
Top Overlay:
  lines w10: 2284,4616 2284,4534 2446,4372 2446,4190 2522,4114 3060,4114 ; 3376,4112 3898,4112 4020,4234 4020,4484 4142,4606
  text "L2" at 2575.22,4949.55 h60
  text "L1" at 3887.51,4947.16 h60
  text "AC220_N" at 3338,4898.66 h60
  text "L2" at 2430,4882 h60
  text "24V G" at 2187.94,4754.67 h60
  text "24V G" at 4277.94,4671.67 h60
  text "L1" at 3656,4660 h60
  text "AC220_L" at 3136,4546.66 h60
  text "G   SW   K   G" at 1970.67,4462 h60 r270
  text "G   SW   K   G" at 4272.67,4444 h60 r270
  text "24V     GNG" at 3106.67,4324.06 h60 r270
  text "本区域高压" at 2601.09,4278.44 h100
  text "SuperHeat" at 2828,3831.54 h200
Bottom Overlay:
  lines w20: 2082,3850 4344,3850 ; 2985.84,3308 2985.84,3808.86 ; 3244,3884 3244,3992 ; 3246,4452 3246,4584
Bottom Solder:
  lines w60: 2488,4776 2578,4686 2726,4686 2844.41,4567.59 2844.41,4509.59
  lines w80: 2950,4508 3074,4508 3246,4680 ; 3244,4680 3456,4468 3544,4468 ; 3594.74,4637.26 3644,4588 3644,4466
  lines w120: 2738,4916 3778,4916
Mechanical 1:
  pour cut-out: 3690.1,4364.25 ccw(c3695.11,4364.25) 3700.13,4364.25 3700.13,4568.25 ccw(c3695.11,4568.25) 3690.1,4568.25
  lines w10: 1894.81,4909.81 cw(c1995,4909.81) 1995,5010 ; 1895,2279 ccw(c1995.19,2279) 1995.19,2178.81 ; 1895,2280 1895,4909.81 ; 1995.39,5009.64 4380.39,5009.64 ; 1996.55,2180.14 2620.8,2180.14 2620.8,2459.31 3365.03,2459.31 ; 2754,4590 2798,4546 2798,4478 2850,4426 ; 2898,4414 2898,4595 ; 3364.52,2179.32 4374.37,2179.32 ; 3365.77,2179.32 3365.77,2454.17 ; 3595.11,4548.25 3596,4380 ; 3695.11,4364.25 3695.11,4568.25 ; 4379,2180 ccw(c4379,2280.19) 4479.19,2280.19 ; 4379.81,5010.19 cw(c4379.81,4910) 4480,4910 ; 4479.27,2697.2 4481.93,2282.9 ; 4479.45,3111 4480,4920 ; 4480,2697.2 4479.2,2698 4572,2698 4584,2710 4584,3094 4572,3106 4480,3106
  lines w40: 3902,4224 3902,4492 4020,4610 4064,4610 4171,4717
  lines w50: 2370,4924 2370,4622 2386,4606 2552,4606 2566,4592 2566,4192 3042,4192 ; 2552,4910 2642,4820 2664,4798 3868,4798 3951,4881 ; 3108,4406 3396,4406 ; 3452,4162 3776,4162

## Text inside footprints (layer, text, board x,y; h text height)
USB1: Top Overlay "USB" at 4434,2831 h50 r90